# Altium PCB Control_Board_Model_C204.PcbDoc (part 2 of 6)
Units mm, origin at the board's own origin, x right, y up, seen from the top; angles counter-clockwise.
Board outline 50 x 50 mm, 8 copper layers (1-Top, 2-GND, 3-SIGNAL, 4-PWR, 5-GND, 6-SIGNAL, 7-GND, 8-Bottom), stack 0.972 mm thick; 432 components, 324 nets, 1521 pads, 1172 vias.
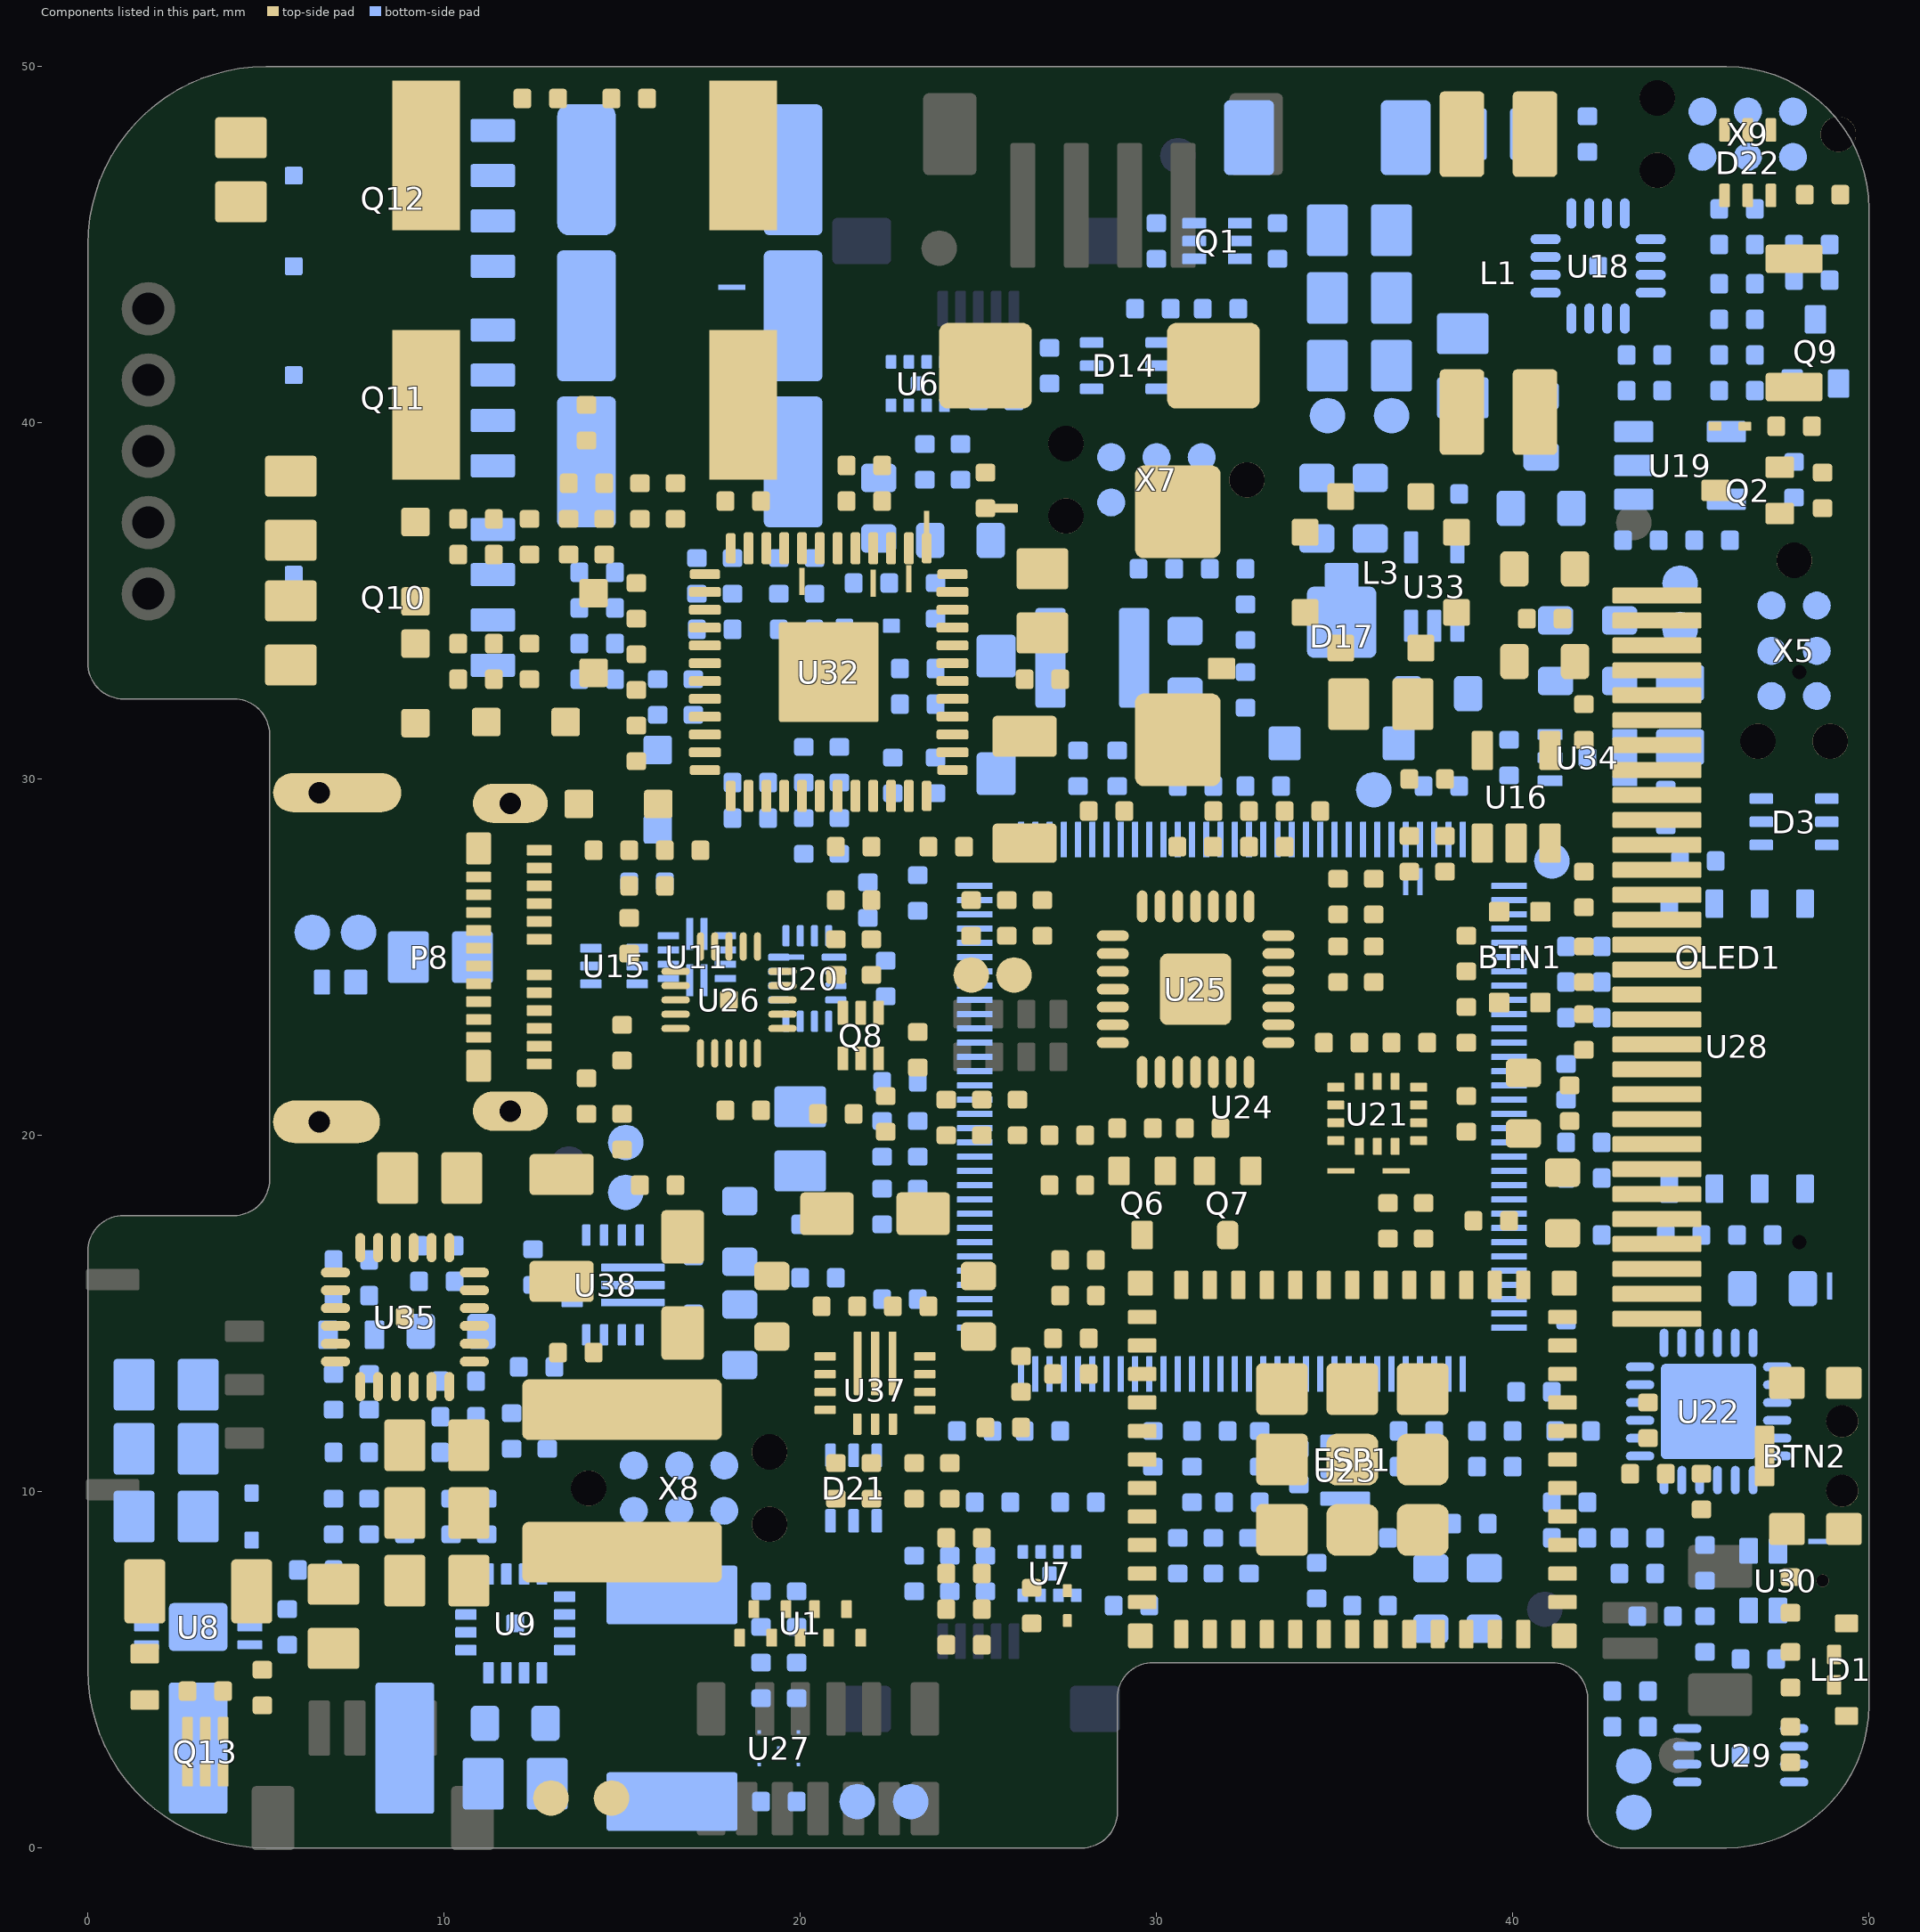
[diagram p8: the components of this part, seen from the top]

## Footprints (in the part's own frame and the unit in brackets; to place one, negate y for a bottom-side part, rotate by r counter-clockwise, add the part's x,y. Pads: shape width x height; smd on the part's side, far side on the other; paste and mask are expansions set on the pad) (continued)
CST2C [mm]
  rrect20% 0.65x0.7 smd: 1(-0.425,0)
  rrect20% 0.45x0.7 smd: 2(0.525,0)
  silkscreen extent -0.95,0.75 -0.85,0.85, body extent -0.8,-0.4 0.8,0.4, height 0.5
CT7343 [mm] "Aluminium Electrolytic V-Chip SMT Capacitors, 6.3x5.5mm"
  rrect20% 2.6x2.4 smd: 1(-3.2,0) 2(3.2,0)
  silkscreen extent -4.7,-2.5 4.7,2.5, body extent -3.8,-2.3 3.8,2.3, height 3.1
DCK0005A_L [mm]
  rrect20% 0.9x0.4 smd paste-0.025 mask+0.05: 1(-1.1,0.65) 2(-1.1,0) 3(-1.1,-0.65) 4(1.1,-0.65) 5(1.1,0.65)
  silkscreen extent -0.7,-1.2 0.7,1.2, body extent -1.05,-1 1.05,1, height 1
DFN6 [mm] "6-DFN (2x3)"
  rrect20% 0.7x0.25 smd mask+0.05: 1(-1.45,0.5) 2(-1.45,0) 3(-1.45,-0.5) 4(1.45,-0.5) 5(1.45,0) 6(1.45,0.5)
  rrect20% 1.65x1.35 smd mask+0.05: EP(0,0)
  silkscreen extent -1.9,-1 1.5,1.3, body extent -1.5,-1 1.5,1, height 0.8
DFN65P100X40-4N [mm] "DFN, 4-Leads, Body 1.00x1.00mm, Pitch 0.65mm, IPC Medium Density"
  rrect20% 0.1x0.1 smd paste-0.2 mask-0.2: 1(-0.55,0.455) 2(-0.55,-0.455) 3(0.55,-0.455) 4(0.55,0.455) 5(0,0)
  1-Top region: -0.323,0 0,0.323 0.323,0 0,-0.323
  1-Top region: -0.6,-0.505 -0.6,-0.205 -0.335,-0.205 -0.185,-0.355 -0.185,-0.505
  1-Top region: 0.6,0.505 0.6,0.205 0.335,0.205 0.185,0.355 0.185,0.505
  1-Top region: 0.6,-0.505 0.6,-0.205 0.335,-0.205 0.185,-0.355 0.185,-0.505
  1-Top region: -0.6,0.505 -0.6,0.205 -0.335,0.205 -0.185,0.355 -0.185,0.505
  silkscreen extent -0.55,0.75 -0.45,0.85, body extent -0.52,-0.53 0.53,0.53, height 0.4
DPV8_1P7X0P4 [mm]
  rrect20% 0.38x0.3 smd paste+0 mask+0.05: 1(-0.61,0.75) 2(-0.61,0.25) 3(-0.61,-0.25) 4(-0.61,-0.75) 5(0.61,-0.75) 6(0.61,-0.25) 7(0.61,0.25) 8(0.61,0.75)
  rrect20% 0.4x0.4 smd paste-0.837 mask+0.05: 9(0,0)
  1-Top region: -0.2,0.85 0.2,0.85 0.2,-0.85 -0.2,-0.85
  silkscreen extent -1.15,-1.2 0.8,1.2, body extent -0.8,-1.05 0.8,1.05, height 0.65
IND_IHLP-1212B00 [mm] "1µH Shielded Molded Inductor 5A 24mOhm Max Nonstandard"
  rrect20% 1.5x1.2 smd: 1(-1.35,0) 2(1.35,0)
  silkscreen extent -2,-1.73 2,1.73, body extent -1.8,-1.6 1.8,1.6, height 2.06
IND_LPD5030 [mm] "Shielded Coupled Inductors"
  rrect20% 0.75x0.75 smd: 1(-2.125,1.125) 1(-1.125,2.125) 2(-2.125,-1.125) 2(-1.125,-2.125) 3(1.125,-2.125) 3(2.125,-1.125) 4(1.125,2.125) 4(2.125,1.125)
  1-Top region: -1.75,0.75 -2.5,0.75 -2.5,1.7 -1.7,2.5 -0.75,2.5 -0.75,1.75 -1.151,1.75 -1.75,1.151
  1-Top region: 0.75,1.75 0.75,2.5 1.7,2.5 2.5,1.7 2.5,0.75 1.75,0.75 1.75,1.151 1.151,1.75
  1-Top region: 1.75,-0.75 2.5,-0.75 2.5,-1.7 1.7,-2.5 0.75,-2.5 0.75,-1.75 1.151,-1.75 1.75,-1.151
  1-Top region: -0.75,-1.75 -0.75,-2.5 -1.7,-2.5 -2.5,-1.7 -2.5,-0.75 -1.75,-0.75 -1.75,-1.151 -1.151,-1.75
  silkscreen extent -2.8,-2.8 2.8,2.8, body extent -2.44,-2.44 2.44,2.44, height 2.98
IND_MSD1048H [mm] "Shielded Coupled Inductors"
  rrect20% 2.4x1.25 smd: 1(-3.9,1.025) 2(-3.9,-1.025) 3(3.9,-1.025) 4(3.9,1.025)
  silkscreen extent -5.38,-5.38 5.38,5.38, body extent -5.15,-5.15 5.15,5.15, height 5.1
IND_WE_LQSH_3015 [mm]
  rrect20% 0.85x2.8 smd: 1(-1.175,0) 2(1.175,0)
  silkscreen extent -1.85,-1.73 1.85,1.73, body extent -1.5,-1.5 1.5,1.5, height 1.5
IND_WE_MAPI [mm]
  rrect20% 1.7x5.6 smd: 1(-2,0) 2(2,0)
  silkscreen extent -0.9,-2.7 0.9,2.7, body extent -2.7,-2.7 2.7,2.7, height 3.1
L0402 [mm]
  rrect35% 0.5x0.55 smd: 1(-0.5,0) 2(0.5,0)
  silkscreen extent -1,-0.51 1,0.5, body extent -0.53,-0.25 0.53,0.25, height 0.71
L0603 [mm]
  rrect35% 0.8x1 smd: 1(-0.85,0) 2(0.85,0)
  silkscreen extent -1.5,-0.75 1.5,0.75, body extent -0.8,-0.4 0.8,0.4, height 0.8
LED_EASV2713RGBA1 [mm]
  rrect20% 0.5x0.65 smd: 1(-1.3,0.025) 4(1.3,0.025)
  rrect20% 0.55x0.4 smd: 2(-0.425,0.375) 3(0.425,0.375)
  body extent -1.35,-1.07 1.35,0.28, height 1
LPQFP-128 [mm]
  rrect20% 1x0.18 smd mask+0.05: 1(-7.5,6.2) 2(-7.5,5.8) 3(-7.5,5.4) 4(-7.5,5) 5(-7.5,4.6) 6(-7.5,4.2) 7(-7.5,3.8) 8(-7.5,3.4) 9(-7.5,3) 10(-7.5,2.6) 11(-7.5,2.2) 12(-7.5,1.8) 13(-7.5,1.4) 14(-7.5,1) 15(-7.5,0.6) 16(-7.5,0.2) 17(-7.5,-0.2) 18(-7.5,-0.6) 19(-7.5,-1) 20(-7.5,-1.4) 21(-7.5,-1.8) 22(-7.5,-2.2) 23(-7.5,-2.6) 24(-7.5,-3) 25(-7.5,-3.4) 26(-7.5,-3.8) 27(-7.5,-4.2) 28(-7.5,-4.6) 29(-7.5,-5) 30(-7.5,-5.4) 31(-7.5,-5.8) 32(-7.5,-6.2) 65(7.5,-6.2) 66(7.5,-5.8) 67(7.5,-5.4) 68(7.5,-5) 69(7.5,-4.6) 70(7.5,-4.2) 71(7.5,-3.8) 72(7.5,-3.4) 73(7.5,-3) 74(7.5,-2.6) 75(7.5,-2.2) 76(7.5,-1.8) 77(7.5,-1.4) 78(7.5,-1) 79(7.5,-0.6) 80(7.5,-0.2) 81(7.5,0.2) 82(7.5,0.6) 83(7.5,1) 84(7.5,1.4) 85(7.5,1.8) 86(7.5,2.2) 87(7.5,2.6) 88(7.5,3) 89(7.5,3.4) 90(7.5,3.8) 91(7.5,4.2) 92(7.5,4.6) 93(7.5,5) 94(7.5,5.4) 95(7.5,5.8) 96(7.5,6.2)
  rrect20% 0.18x1 smd mask+0.05: 33(-6.2,-7.5) 34(-5.8,-7.5) 35(-5.4,-7.5) 36(-5,-7.5) 37(-4.6,-7.5) 38(-4.2,-7.5) 39(-3.8,-7.5) 40(-3.4,-7.5) 41(-3,-7.5) 42(-2.6,-7.5) 43(-2.2,-7.5) 44(-1.8,-7.5) 45(-1.4,-7.5) 46(-1,-7.5) 47(-0.6,-7.5) 48(-0.2,-7.5) 49(0.2,-7.5) 50(0.6,-7.5) 51(1,-7.5) 52(1.4,-7.5) 53(1.8,-7.5) 54(2.2,-7.5) 55(2.6,-7.5) 56(3,-7.5) 57(3.4,-7.5) 58(3.8,-7.5) 59(4.2,-7.5) 60(4.6,-7.5) 61(5,-7.5) 62(5.4,-7.5) 63(5.8,-7.5) 64(6.2,-7.5) 97(6.2,7.5) 98(5.8,7.5) 99(5.4,7.5) 100(5,7.5) 101(4.6,7.5) 102(4.2,7.5) 103(3.8,7.5) 104(3.4,7.5) 105(3,7.5) 106(2.6,7.5) 107(2.2,7.5) 108(1.8,7.5) 109(1.4,7.5) 110(1,7.5) 111(0.6,7.5) 112(0.2,7.5) 113(-0.2,7.5) 114(-0.6,7.5) 115(-1,7.5) 116(-1.4,7.5) 117(-1.8,7.5) 118(-2.2,7.5) 119(-2.6,7.5) 120(-3,7.5) 121(-3.4,7.5) 122(-3.8,7.5) 123(-4.2,7.5) 124(-4.6,7.5) 125(-5,7.5) 126(-5.4,7.5) 127(-5.8,7.5) 128(-6.2,7.5)
  silkscreen extent -8.48,-7.12 7.12,7.12, body extent -8,-8 8,8, height 1.6
MIC_SPH0641LM4H-1 [mm]
  rrect20% 0.725x0.522 smd mask+0.05: 1(-0.837,2.074) 2(-0.837,1.252) 4(0.837,1.252) 5(0.837,2.074)
  rrect20% 0.1x0.1 smd paste-1 mask+0: 3(0,0.65)
  round 0.35 hole 0.35 unplated mask+0.05: ""(0,0)
  1-Top region: 0,0.813 -0.353,0.732 -0.635,0.507 -0.792,0.181 -0.792,-0.181 -0.635,-0.507 -0.353,-0.732 0,-0.812 0,-0.812 0,-0.512 -0.227,-0.466 -0.41,-0.324 -0.512,-0.116 -0.512,0.116 -0.41,0.324 -0.227,0.466 0,0.512 0,0.513
  1-Top region: 0,0.813 0.353,0.732 0.635,0.507 0.792,0.181 0.792,-0.181 0.635,-0.507 0.353,-0.732 0,-0.812 0,-0.812 0,-0.512 0.227,-0.466 0.41,-0.324 0.512,-0.116 0.512,0.116 0.41,0.324 0.227,0.466 0,0.512 0,0.513
  silkscreen extent -1.9,-1 1.4,2.5, body extent -1.5,-1.32 1.5,2.68, height 1.3
MODULE_ESP32-C3-MINI-1 [mm]
  rrect20% 0.8x0.4 smd: 1(-5.9,4) 2(-5.9,3.2) 3(-5.9,2.4) 4(-5.9,1.6) 5(-5.9,0.8) 6(-5.9,0) 7(-5.9,-0.8) 8(-5.9,-1.6) 9(-5.9,-2.4) 10(-5.9,-3.2) 11(-5.9,-4) 25(5.9,-4) 26(5.9,-3.2) 27(5.9,-2.4) 28(5.9,-1.6) 29(5.9,-0.8) 30(5.9,0) 31(5.9,0.8) 32(5.9,1.6) 33(5.9,2.4) 34(5.9,3.2) 35(5.9,4)
  rrect20% 0.4x0.8 smd: 12(-4.8,-4.9) 13(-4,-4.9) 14(-3.2,-4.9) 15(-2.4,-4.9) 16(-1.6,-4.9) 17(-0.8,-4.9) 18(0,-4.9) 19(0.8,-4.9) 20(1.6,-4.9) 21(2.4,-4.9) 22(3.2,-4.9) 23(4,-4.9) 24(4.8,-4.9) 36(4.8,4.9) 37(4,4.9) 38(3.2,4.9) 39(2.4,4.9) 40(1.6,4.9) 41(0.8,4.9) 42(0,4.9) 43(-0.8,4.9) 44(-1.6,4.9) 45(-2.4,4.9) 46(-3.2,4.9) 47(-4,4.9) 48(-4.8,4.9)
  rrect40% 1.45x1.45 smd: 49(-1.975,1.975) 49(-1.975,0) 49(0,1.975) 49(0,0)
  rrect20% 1.45x1.45 smd: 49(-1.975,-1.975) 49(0,-1.975) 49(1.975,1.975) 49(1.975,0) 49(1.975,-1.975)
  rrect20% 0.7x0.7 smd: 50(5.95,4.95) 51(5.95,-4.95) 52(-5.95,-4.95) 53(-5.95,4.95)
  silkscreen extent -6.7,4.9 -6.5,5.1, body extent -6.6,-5.6 6.6,11, height 2.4
MOLEX_2012670005 [mm] "USB-C (USB TYPE-C) USB 3.2 Gen 2 (USB 3.1 Gen 2, Superspeed + (USB 3.1)) Receptacle Connector 24 Position Surface Mount, Right Angle; Through Hole"
  rrect20% 0.3x0.7 smd: A1(-3,3.97) A2(-2.5,3.97) A3(-2,3.97) A4(-1.5,3.97) A5(-1,3.97) A6(-0.5,3.97) A7(0.5,3.97) A8(1,3.97) A9(1.5,3.97) A10(2,3.97) A11(2.5,3.97) A12(3,3.97) B2(2.25,2.27) B3(1.75,2.27) B4(1.25,2.27) B5(0.75,2.27) B6(0.25,2.27) B7(-0.25,2.27) B8(-0.75,2.27) B9(-1.25,2.27) B10(-1.75,2.27) B11(-2.25,2.27)
  rrect20% 0.9x0.7 smd: B1(3.05,2.27) B12(-3.05,2.27)
  oval 1.1x2.1 hole 0.6 slot 1.6 at 90 deg: S1(-4.32,3.16) S2(4.32,3.16)
  oval 1.1x3.6 hole 0.6 slot 2.1 at 90 deg copper offset 0,0.5: S3(-4.62,-2.2)
  oval 1.2x3 hole 0.6 slot 2.1 at 90 deg copper offset 0,0.2: S4(4.62,-2.2)
  body extent -4.69,-4.15 4.69,4.15, height 3.72
"Net Tie 6x30mil"#1 [mil]
  rrect20% 16x6 smd paste-5 mask-5: 1(-7,0) 2(7,0)
"Net Tie 6x30mil"#2 [mil]
  rrect20% 16x23.62 smd paste-78.74 mask-78.74: 1(-7,0) 2(7,0)
"Net Tie 6x30mil"#3 [mil]
  rrect20% 16x9.84 smd paste-5 mask-5: 1(-7,0) 2(7,0)
"POWERFLAT™ (5X6)" [mm]
  rrect20% 1.25x0.65 smd mask+0.05: 1(-2.667,1.905) 2(-2.667,0.635) 3(-2.667,-0.635) 4(-2.667,-1.905)
  rrect20% 0.5x0.5 smd mask+0.05: 5(2.921,-1.905) 7(2.921,0.635)
  1-Top region: -1.1,2.3 3.2,2.3 3.25,2.287 3.287,2.25 3.3,2.2 3.3,2.2 3.3,1.675 3.292,1.637 3.271,1.604 3.238,1.583 3.2,1.575 3.2,1.575 2.825,1.575 2.787,1.567 2.754,1.546 2.733,1.513 2.725,1.475 2.725,1.475 2.725,1.05 2.738,1 2.775,0.963 2.825,0.95 2.825,0.95 3.2,0.95 3.25,0.937 3.287,0.9 3.3,0.85 3.3,0.85 3.3,0.3 3.287,0.25 3.25,0.213 3.2,0.2 3.2,0.2 -1.1,0.2 -1.15,0.213 -1.187,0.25 -1.2,0.3 -1.2,0.3 -1.2,2.2 -1.187,2.25 -1.15,2.287 -1.1,2.3
  1-Top region: -1.1,-2.3 3.2,-2.3 3.238,-2.292 3.271,-2.271 3.292,-2.238 3.3,-2.2 3.3,-2.2 3.3,-1.675 3.292,-1.637 3.271,-1.604 3.238,-1.583 3.2,-1.575 3.2,-1.575 2.825,-1.575 2.787,-1.567 2.754,-1.546 2.733,-1.513 2.725,-1.475 2.725,-1.475 2.725,-1.05 2.733,-1.012 2.754,-0.979 2.787,-0.958 2.825,-0.95 2.825,-0.95 3.2,-0.95 3.238,-0.942 3.271,-0.921 3.292,-0.888 3.3,-0.85 3.3,-0.85 3.3,-0.3 3.292,-0.262 3.271,-0.229 3.238,-0.208 3.2,-0.2 3.2,-0.2 -1.1,-0.2 -1.138,-0.208 -1.171,-0.229 -1.192,-0.262 -1.2,-0.3 -1.2,-0.3 -1.2,-2.2 -1.187,-2.25 -1.15,-2.287 -1.1,-2.3
  silkscreen extent -3.9,-2.6 3,2.6, body extent -3,-2.5 3,2.5, height 0.8
QFN28_5X5 [mm]
  rrect100% 0.9x0.3 smd paste+0 mask+0.05: 1(-2.324,1.5) 2(-2.324,1) 3(-2.324,0.5) 4(-2.324,0) 5(-2.324,-0.5) 6(-2.324,-1) 7(-2.324,-1.5) 15(2.324,-1.5) 16(2.324,-1) 17(2.324,-0.5) 18(2.324,0) 19(2.324,0.5) 20(2.324,1) 21(2.324,1.5)
  rrect100% 0.3x0.9 smd paste+0 mask+0.05: 8(-1.5,-2.324) 9(-1,-2.324) 10(-0.5,-2.324) 11(0,-2.324) 12(0.5,-2.324) 13(1,-2.324) 14(1.5,-2.324) 22(1.5,2.324) 23(1,2.324) 24(0.5,2.324) 25(0,2.324) 26(-0.5,2.324) 27(-1,2.324) 28(-1.5,2.324)
  rrect20% 2x2 smd paste-2 mask+0.05: 29(0,0)
  1-Top region: -1.675,-1.675 1.675,-1.675 1.675,1.675 -1.675,1.675
  silkscreen extent -2.63,-2.63 2.63,2.63, body extent -2.55,-2.55 2.55,2.55, height 0.94
QFN50P400X400X100_HS-25N [mm] "QFN, 24-Leads, Body 4.00x4.00mm, Pitch 0.50mm, Thermal Pad 2.68x2.68mm, IPC Medium Density"
  oval 0.8x0.25 smd: 1(-1.925,1.25) 2(-1.925,0.75) 3(-1.925,0.25) 4(-1.925,-0.25) 5(-1.925,-0.75) 6(-1.925,-1.25) 13(1.925,-1.25) 14(1.925,-0.75) 15(1.925,-0.25) 16(1.925,0.25) 17(1.925,0.75) 18(1.925,1.25)
  oval 0.25x0.8 smd: 7(-1.25,-1.925) 8(-0.75,-1.925) 9(-0.25,-1.925) 10(0.25,-1.925) 11(0.75,-1.925) 12(1.25,-1.925) 19(1.25,1.925) 20(0.75,1.925) 21(0.25,1.925) 22(-0.25,1.925) 23(-0.75,1.925) 24(-1.25,1.925)
  rrect10% 2.68x2.68 smd: 25(0,0)
  silkscreen extent -2.92,-2.15 2.15,2.15, body extent -2.05,-2.05 2.05,2.05, height 1
QFN-6L [mm]
  rrect20% 0.6x0.25 smd: 1(-0.65,0.5) 2(-0.65,0) 3(-0.65,-0.5) 4(0.65,-0.5) 5(0.65,0) 6(0.65,0.5)
  silkscreen extent -0.97,-1.03 0.92,1.3, body extent -0.77,-0.88 0.78,0.87, height 0.55
QG-2864KSWEG01_FRONT [mm] "Folding Type OLED Display Module"
  round 0.3 hole 0.4 unplated mask+0: 0(-3.75,8) 0(-3.75,-8)
  rrect20% 2.5x0.45 smd mask+0.05: 1(0.25,10.15) 2(0.25,9.45) 3(0.25,8.75) 4(0.25,8.05) 5(0.25,7.35) 6(0.25,6.65) 7(0.25,5.95) 8(0.25,5.25) 9(0.25,4.55) 10(0.25,3.85) 11(0.25,3.15) 12(0.25,2.45) 13(0.25,1.75) 14(0.25,1.05) 15(0.25,0.35) 16(0.25,-0.35) 17(0.25,-1.05) 18(0.25,-1.75) 19(0.25,-2.45) 20(0.25,-3.15) 21(0.25,-3.85) 22(0.25,-4.55) 23(0.25,-5.25) 24(0.25,-5.95) 25(0.25,-6.65) 26(0.25,-7.35) 27(0.25,-8.05) 28(0.25,-8.75) 29(0.25,-9.45) 30(0.25,-10.15)
  silkscreen extent -5.5,-11 -1.2,11, body extent -7.2,-13.5 -5.7,13.5, height 24.26
R0402 [mm]
  rrect35% 0.5x0.55 smd: 1(-0.5,0) 2(0.5,0)
  silkscreen extent -1,-0.51 1,0.5, body extent -0.53,-0.25 0.53,0.25, height 0.71
R0603 [mm]
  rrect35% 0.8x0.991 smd: 1(-0.85,0) 2(0.85,0)
  silkscreen extent -1.5,-0.75 1.5,0.75, body extent -0.8,-0.41 0.8,0.41, height 0.71
R0805 [mm]
  rrect20% 1x1.35 smd: 1(-0.9,0) 2(0.9,0)
  silkscreen extent -1.7,-1 1.7,1, body extent -1.05,-0.68 1.05,0.67, height 0.6
R1206 [mm]
  rrect20% 1.15x1.8 smd: 1(-1.5,0) 2(1.5,0)
  silkscreen extent -2.54,-1.27 2.54,1.27, body extent -1.55,-0.8 1.55,0.8, height 0.65
R2512#1 [mm] "RES 2512"
  rrect10% 1.65x3.68 smd: 1(-2.9,0) 2(2.9,0)
  silkscreen extent -1.27,-1.78 1.27,1.78, body extent -3.15,-1.6 3.15,1.6, height 0.71
R2512#2 [mm] "RES 2512"
  rrect20% 1.65x3.68 smd: 1(-2.9,0) 2(2.9,0)
  silkscreen extent -1.27,1.78 1.27,1.78, body extent -3.15,-1.6 3.15,1.6, height 0.71
R2512#3 [mm] "RES 2512"
  rrect20% 1.65x3.68 smd: 1(-2.9,0)
  rrect40% 1.65x3.68 smd: 2(2.9,0)
  silkscreen extent -1.27,-1.78 1.27,1.78, body extent -3.15,-1.6 3.15,1.6, height 0.71
RMG12_TEX [mm]
  rrect20% 0.9x0.2 smd mask+0.05: 1(-0.65,0.2) 2(-0.65,-0.2) 7(0.65,-0.2) 8(0.65,0.2)
  rrect20% 0.2x0.6 smd mask+0.05: 3(-0.6,-0.8) 4(-0.2,-0.8) 5(0.2,-0.8) 6(0.6,-0.8) 9(0.6,0.8) 10(0.2,0.8) 11(-0.2,0.8) 12(-0.6,0.8)
  silkscreen extent -1.6,-0.95 1.1,0.95, body extent -0.95,-0.95 0.95,0.95, height 0.81
RSV16_TEX [mm]
  rrect50% 0.7x0.2 smd paste+0 mask+0.05: 1(-0.75,0.6)
  rrect50% 0.6x0.2 smd paste+0 mask+0.05: 2(-0.8,0.2) 3(-0.8,-0.2) 4(-0.8,-0.6) 9(0.8,-0.6) 10(0.8,-0.2) 11(0.8,0.2) 12(0.8,0.6)
  rrect50% 0.2x0.6 smd paste+0 mask+0.05: 5(-0.6,-1.2) 6(-0.2,-1.2) 7(0.2,-1.2) 8(0.6,-1.2) 13(0.6,1.2) 14(0.2,1.2) 15(-0.2,1.2) 16(-0.6,1.2)
  silkscreen extent -1.3,-1.58 1.18,1.58, body extent -0.97,-1.38 0.98,1.37, height 0.55
RTE0016C [mm]
  rrect100% 0.85x0.28 smd paste-0.025 mask+0.05: 1(-1.475,0.75) 2(-1.475,0.25) 3(-1.475,-0.25) 4(-1.475,-0.75) 9(1.475,-0.75) 10(1.475,-0.25) 11(1.475,0.25) 12(1.475,0.75)
  rrect100% 0.28x0.85 smd paste-0.025 mask+0.05: 5(-0.75,-1.475) 6(-0.25,-1.475) 7(0.25,-1.475) 8(0.75,-1.475) 13(0.75,1.475) 14(0.25,1.475) 15(-0.25,1.475) 16(-0.75,1.475)
  rrect20% 0.5x0.5 smd paste-2 mask+0.05: 17(0,0)
  1-Top region: -0.85,0.85 0.85,0.85 0.85,-0.85 -0.85,-0.85
  silkscreen extent -2.2,-1.72 1.72,1.73, body extent -1.5,-1.5 1.5,1.5, height 0.8
SMT-0440-S-R_PUI [mm] "Buzzers Transducer, Externally Driven 90mA 4kHz 70dB @ 3V, 10cm Surface Mount Solder Pads"
  rrect20% 0.8x1.6 smd: 1(-1.8,0) 2(1.8,0)
  silkscreen extent -2.1,-2.1 2.1,2.1, body extent -2,-2 2,2, height 2
SOD-123 [mm]
  rrect20% 0.9x0.95 smd: 1(-1.6,0) 2(1.6,0)
  silkscreen extent -1.87,0.7 -1.77,0.8, body extent -1.82,-0.77 1.83,0.78, height 1.15
SOD-123FL [mm]
  rrect20% 1.2x1.1 smd: 1(-1.651,0) 2(1.651,0)
  silkscreen extent -2.05,0.95 -1.95,1.05, body extent -1.92,-0.95 1.93,0.95, height 1.35
SOD-128 [mm] "SOD-128"
  rrect20% 1.4x2.1 smd: 1(-2.2,0) 2(2.2,0)
  silkscreen extent -2.64,1.42 -2.44,1.62, body extent -2.35,-1.35 2.35,1.35, height 1
SOD-323F [mm]
  rrect20% 0.8x0.8 smd: 1(-1.115,0) 2(1.115,0)
  silkscreen extent -1.5,0.79 -1.3,0.99, body extent -1.25,-0.65 1.25,0.65, height 1
SOD-523 [mm]
  rrect20% 0.48x0.4 smd: 1(-0.66,0) 2(0.66,0)
  silkscreen extent -0.85,0.45 -0.75,0.55, body extent -0.8,-0.45 0.8,0.45, height 0.7
SODFL100X40-2N#1 [mm] "SODFL, 2-Leads, Body 0.60x1.00mm, IPC Medium Density"
  rrect20% 0.36x0.25 smd: 1(-0.42,0) 2(0.42,0)
  silkscreen extent -0.56,0.33 -0.46,0.43, body extent -0.5,-0.33 0.5,0.33, height 0.4
SODFL100X40-2N#2 [mm] "SODFL, 2-Leads, Body 0.60x1.00mm, IPC Medium Density"
  rrect20% 0.36x0.25 smd mask+0.051: 1(-0.42,0) 2(0.42,0)
  silkscreen extent -0.56,0.33 -0.46,0.43, body extent -0.5,-0.33 0.5,0.33, height 0.4
SODFL375X95-2N [mm] "SODFL, 2-Leads, Body 1.90x3.75mm, IPC Medium Density"
  rrect20% 0.7x0.95 smd: 1(-1.75,0)
  rrect20% 2x1.95 smd: 1(-0.432,0)
  rrect20% 0.95x0.65 smd: 2(1.7,0)
  silkscreen extent -2,0.92 -1.81,1.12, body extent -1.88,-1.03 1.88,1.02, height 0.95
SON_400UV-7_DIO [mm]
  rrect20% 0.67x0.3 smd: 1(-0.64,0.5) 2(-0.64,0) 3(-0.64,-0.5) 4(0.64,-0.5) 5(0.64,0) 6(0.64,0.5)
  silkscreen extent -1.19,-0.98 0.75,1.07, body extent -0.8,-0.8 0.8,0.8, height 0.5
SOT363_SOP65P210X265-6N [mm] "SOP, 6-Leads, Body 2.00x1.25mm, Pitch 0.65mm, IPC Medium Density"
  rrect30% 0.66x0.3 smd mask+0.05: 1(-0.92,0.65) 2(-0.92,0) 3(-0.92,-0.65) 4(0.92,-0.65) 5(0.92,0) 6(0.92,0.65)
  silkscreen extent -1.5,-1.1 0.2,1.1, body extent -1.1,-1.1 1.1,1.1, height 1.1
SOT908-1 [mm]
  rrect100% 0.8x0.25 smd mask+0.05: 1(-1.5,0.75) 2(-1.5,0.25) 3(-1.5,-0.25) 4(-1.5,-0.75) 5(1.5,-0.75) 6(1.5,-0.25) 7(1.5,0.25) 8(1.5,0.75)
  rrect20% 0.5x0.5 smd mask+0.05: 9(0,0)
  1-Top region: -0.825,1.05 0.825,1.05 0.825,-1.05 -0.825,-1.05
  silkscreen extent -2.1,-1.68 1.68,1.73, body extent -1.55,-1.55 1.55,1.55, height 1
SOT-23-5 [mm]
  rrect20% 1.1x0.6 smd mask+0.05: 1(-1.3,0.95) 2(-1.3,0) 3(-1.3,-0.95) 4(1.3,-0.95) 5(1.3,0.95)
  silkscreen extent -1.55,-1.4 0.4,1.65, body extent -1.4,-1.5 1.4,1.5, height 1.25
SOT-323#1 [mm]
  rrect20% 0.8x0.6 smd: 1(-0.9,0.65) 2(-0.9,-0.65) 3(0.9,0)
  body extent -1.05,-1.07 1.05,1.08, height 1.05
SOT-323#2 [mm]
  rrect20% 0.8x0.6 smd: 1(-0.9,0.65) 2(-0.9,-0.65)
  rrect50% 0.8x0.6 smd: 3(0.9,0)
  body extent -1.05,-1.07 1.05,1.08, height 1.05
ST_QFN_1610 [mm] "2-UDFN"
  rrect20% 0.55x0.8 smd: 1(-0.65,0) 2(0.65,0)
  silkscreen extent -0.95,0.75 -0.85,0.85, body extent -0.85,-0.55 0.85,0.55, height 0.6
"SWITCH KMS231GLFS" [mm] "Tactile Switch SPST-NO Top Actuated Surface Mount"
  rrect20% 0.9x1 smd: 1(-2.05,0.8) 1(2.05,0.8) 2(-2.05,-0.8) 2(2.05,-0.8)
  rrect20% 1.7x0.55 smd: 1(0,1.425)
  round 0.9 hole 0.9 unplated: MH(-0.975,-0.75) MH(0.975,-0.75)
  body extent -2.3,-2.15 2.3,1.4, height 1.42
"SWITCH USLPT2819DT2TR TACTILE TE" [mm] "Tactile Switch SPST-NO Top Actuated Surface Mount"
  rrect20% 0.55x0.57 smd: 1(-1.275,0.58) 1(1.275,0.58) 2(-1.275,-0.58) 2(1.275,-0.58)
  body extent -1.5,-0.95 1.5,0.95, height 0.6
TC2030-IDC-NL [mil] "Tag-Connect 6-Pin with No Legs (PN# TC2030-IDC-NL)"
  round 39 hole 39 unplated paste-20: 0(-100,0) 0(100,-40) 0(100,40)
  round 31 smd paste-16: 1(-50,-25) 2(-50,25) 3(0,-25) 4(0,25) 5(50,-25) 6(50,25)